# KiCad board Underside.kicad_pcb
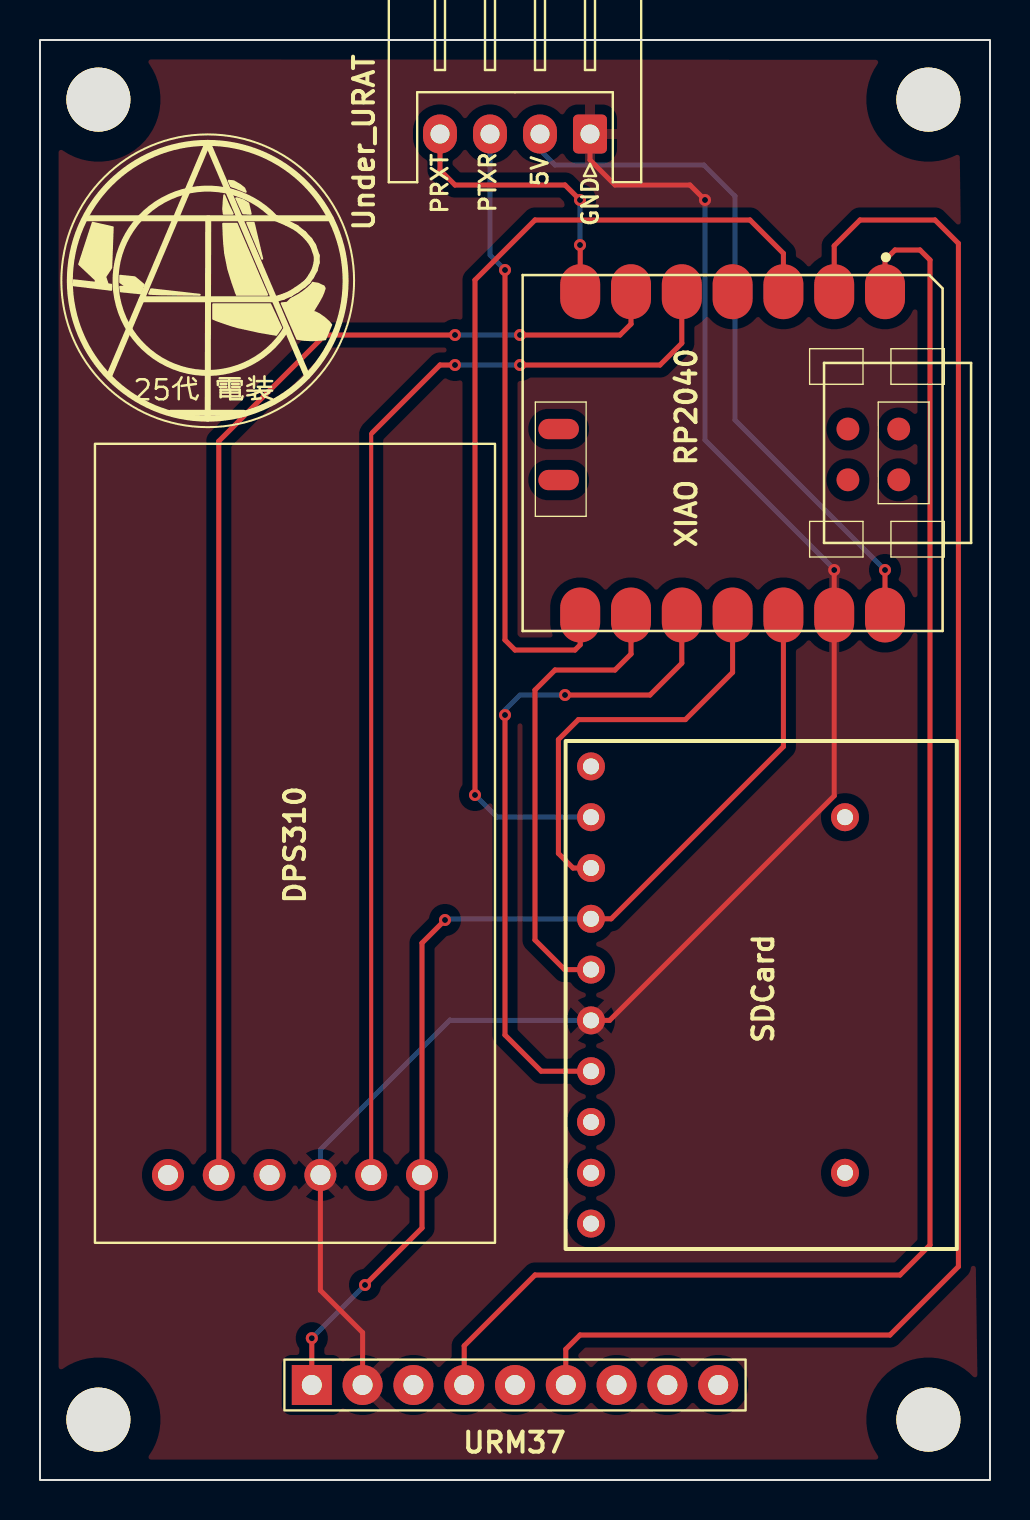
[diagram p0: board, top side]
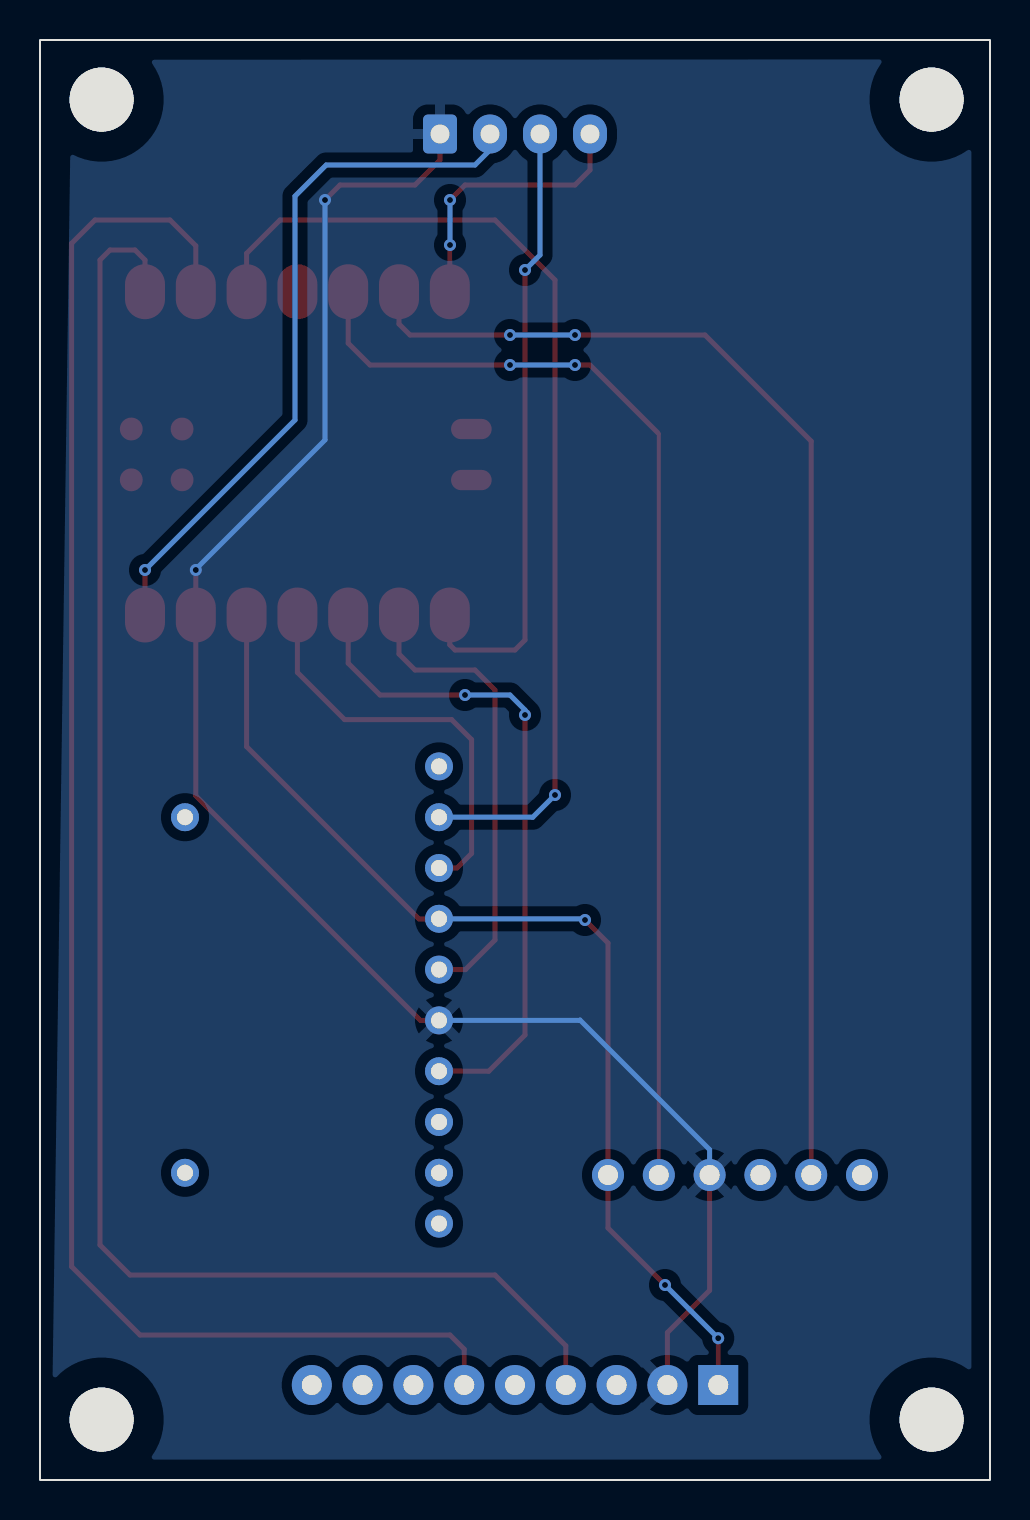
[diagram p1: board, bottom side, seen from below]

Outline 47.5 x 72 mm; copper layers: Top, Bottom. Coordinates in mm from the lower left corner of the outline.
Outline path: rectangle 0,72 47.5,0

## Placement (name value [footprint] x y rotation side)
DPS310  -  [DPS310]  12.75 31.76 270 top
J1  Micro_SD_Card_Det_Hirose_DM3AT  [microSD_AE-MICRO-SD-DIP]  26.28 24.25 90 top
NOREF  -  [unnamed]  44.42 3.02 0 top
NOREF#2  -  [unnamed]  44.42 69.02 0 top
REF**  TORICA-LOGO2  [TORICA-LOGO]  -16.66 39.96 0 top
REF**#2  -  [M3_hole]  2.92 3.02 0 top
REF**#3  -  [M3_hole]  2.92 69.02 0 top
U3  XIAO RP2040  [Seeeduino XIAO-MOUDLE14P-2.54-21X17.8MM]  24.13 60.25 270 top
Under_URAT  TORICA_URAT1  [JST_XH_S4B-XH-A_1x04_P2.50mm_Horizontal]  27.5 67.3 180 top
URM37  URM-37  [URM37]  23.75 4.75 180 top

## Library data of the parts
DPS310 = -: Description: 高精度気圧センサ
J1 = -: Datasheet: https://www.hirose.com/product/en/download_file/key_name/DM3/category/Catalog/doc_file_id/49662/?file_category_id=4&item_id=195&is_series=1; Description: Micro SD Card Socket with card detection pins; ki_fp_filters: microSD*
Under_URAT = -: Description: Generic connector, single row, 01x04, script generated; ki_fp_filters: Connector*:*_1x??_*
URM37 = -: Description: 超音波センサー

## Footprints (pads in the part's own frame, mm; a bottom-side part is the same pattern mirrored in y, then rotated)
DPS310
  round 1.6 hole 1: 1(16.51,6.35) 2(16.51,3.81) 3(16.51,1.27) 4(16.51,-1.27) 5(16.51,-3.81) 6(16.51,-6.35)
JST_XH_S4B-XH-A_1x04_P2.50mm_Horizontal
  rrect 1.7x1.95 hole 0.95: 1(0,0)
  oval 1.7x1.95 hole 0.95: 2(2.5,0) 3(5,0) 4(7.5,0)
M3_hole
  round 3.2 hole 3.2 unplated: (0,0)
microSD_AE-MICRO-SD-DIP
  round 1.4 hole 0.8: 1(11.43,-1.27) 2(8.89,-1.27) 3(6.35,-1.27) 4(3.81,-1.27) 5(1.27,-1.27) 6(-1.27,-1.27) 7(-3.81,-1.27) 8(-6.35,-1.27) 9(-8.89,-1.27) 10(-11.43,-1.27) 11(-8.89,-13.97) 13(8.89,-13.97)
Seeeduino XIAO-MOUDLE14P-2.54-21X17.8MM
  oval 2.748x1.999 smd: 1(0.833,18.118) 2(0.833,15.578) 3(0.833,13.038) 4(0.833,10.498) 5(0.833,7.958) 6(0.833,5.418) 7(0.833,2.878) 8(16.998,2.878) 9(16.998,5.418) 10(16.998,7.958) 11(16.998,10.498) 12(16.998,13.038) 13(16.998,15.578) 14(16.998,18.118)
  oval 1.016x2.032 smd: 15(7.7,1.8) 16(10.25,1.8)
  round 1.143 smd: 17(7.699,18.804) 18(10.239,18.804) 19(7.699,16.264) 20(10.239,16.264)
unnamed
  round 3.2 hole 3.2 unplated: (0,0)
URM37
  rect 2x2 hole 1: 1(10.16,0)
  round 2 hole 1: 2(7.62,0) 3(5.08,0) 4(2.54,0) 5(0,0) 6(-2.54,0) 7(-5.08,0) 8(-7.62,0) 9(-10.16,0)

## Nets
+3.3V: DPS310.1 J1.4 U3.12 URM37.1
+5V: U3.14 Under_URAT.2
GND: DPS310.3 J1.6 U3.13 Under_URAT.1 URM37.2
/CS: J1.2 U3.3
/PRXT: U3.7 Under_URAT.4
/PTXR: U3.8 Under_URAT.3
Net-(J1-CLK): J1.5 U3.9
Net-(J1-CMD): J1.3 U3.11
Net-(J1-DAT0): J1.7 U3.10
Net-(U1-CSK): DPS310.5 U3.6
Net-(U1-SDI): DPS310.2 U3.5
Net-(U2-COMP/TRIG): U3.2 URM37.6
Net-(U2-ECHO): U3.1 URM37.4

Pads without a net: DPS310 4 6; J1 1 8 9 10 11 13; U3 4 15 16 17 18 19 20; URM37 3 5 7 8 9

## Via types
v1: diameter 0.6, hole 0.3, Top to Bottom, 16 vias

## Routing (per net, layer and track width the routed paths; a pad name or vN(x,y) marks a point on that pad's centre or on a via; arc(x,y) is an arc through that point)
+3.3V: length 53.1
  Top w0.25: v1(13.59,7.09) URM37.1 ; v1(20.25,28) 19.1,26.85 DPS310.1 19.1,12.6 v1(16.25,9.75) ; U3.12 37.17,36.67 28.56,28.06 J1.4
  Bottom w0.25: J1.4 20.31,28.06 v1(20.25,28) ; v1(13.59,7.09) v1(16.25,9.75)
+5V: length 35.6
  Top w0.25: v1(42.25,45.5) U3.14
  Bottom w0.25: Under_URAT.2 25,66.5 25.75,65.75 33.19,65.75 34.75,64.19 34.75,53 v1(42.25,45.5)
GND: length 86
  Top w0.25: v1(33.25,64) 32.5,64.75 28.75,64.75 27.5,66 Under_URAT.1 ; J1.6 28.48,22.98 39.71,34.21 U3.13 v1(39.71,45.5) ; URM37.2 16.13,7.37 14.02,9.48 DPS310.3
  Bottom w0.25: J1.6 20.52,22.98 20.5,23 14.02,16.52 DPS310.3 ; v1(39.71,45.5) 39.71,45.54 33.25,52 v1(33.25,64)
/CS: length 51.3
  Top w0.25: U3.3 37.17,61.33 35.5,63 24.75,63 21.75,60 v1(21.75,34.25)
  Bottom w0.25: J1.2 22.86,33.14 v1(21.75,34.25)
/PRXT: length 14.6
  Top w0.2: Under_URAT.4 20,66.75
  Top w0.25: U3.7 27.01,61.74 v1(27,61.75) ; v1(27,64) 26.25,64.75 20.75,64.75 20,65.5 Under_URAT.4
  Bottom w0.25: v1(27,64) v1(27,61.75)
/PTXR: length 31.2
  Top w0.25: v1(23.25,60.5) 23.25,42 23.75,41.5 26.75,41.5 27.01,41.76 U3.8
  Bottom w0.25: v1(23.25,60.5) 22.5,61.25 Under_URAT.3
Net-(J1-CLK): length 23.4
  Top w0.25: J1.5 26.23,25.52 24.75,27 24.75,39.5 25.75,40.5 28.75,40.5 29.55,41.3 U3.9
Net-(J1-CMD): length 20.6
  Top w0.25: U3.11 34.63,40.38 32.27,38.02 26.92,38.02 25.92,37.02 25.92,31.33 26.65,30.6 J1.3
Net-(J1-DAT0): length 33.5
  Top w0.25: J1.7 25.06,20.44 23.25,22.25 v1(23.25,38.25) ; U3.10 32.09,40.84 30.5,39.25 v1(26.25,39.25)
  Bottom w0.25: v1(23.25,38.25) 23.25,38.5 24,39.25 v1(26.25,39.25)
Net-(U1-CSK): length 61.3
  Top w0.25: DPS310.5 8.94,51.94 14.25,57.25 v1(20.75,57.25) ; v1(24,57.25) 29,57.25 29.55,57.8 U3.6
  Bottom w0.25: v1(20.75,57.25) v1(24,57.25)
Net-(U1-SDI): length 57
  Top w0.2: 16.62,52.38 16.56,52.31 DPS310.2
  Top w0.25: v1(24,55.75) 31,55.75 32.09,56.84 U3.5 ; 16.62,52.38 20,55.75 v1(20.75,55.75)
  Bottom w0.25: v1(24,55.75) v1(20.75,55.75)
Net-(U2-COMP/TRIG): length 83.8
  Top w0.25: URM37.6 26.29,6.54 27,7.25 42.5,7.25 45.92,10.67 45.92,61.83 44.75,63 41,63 39.71,61.71 U3.2
Net-(U2-ECHO): length 80.8
  Top w0.25: URM37.4 21.21,6.71 24.75,10.25 43,10.25 44.5,11.75 44.5,61 44,61.5 42.75,61.5 42.25,61 U3.1

## Copper pours and planes (outline as drawn; the poured copper is in the pictures)
GND on Top, Bottom: 0.93,71.03 0.93,1.02 46.93,1.02 45.92,71.01

## Text on the board
F.Silkscreen: PRXT | PTXR | ５V | GND | 25代 電装 | SDCard
